# Altium PCB XTIDA-010086.PcbDoc (part 7 of 17) (continued)
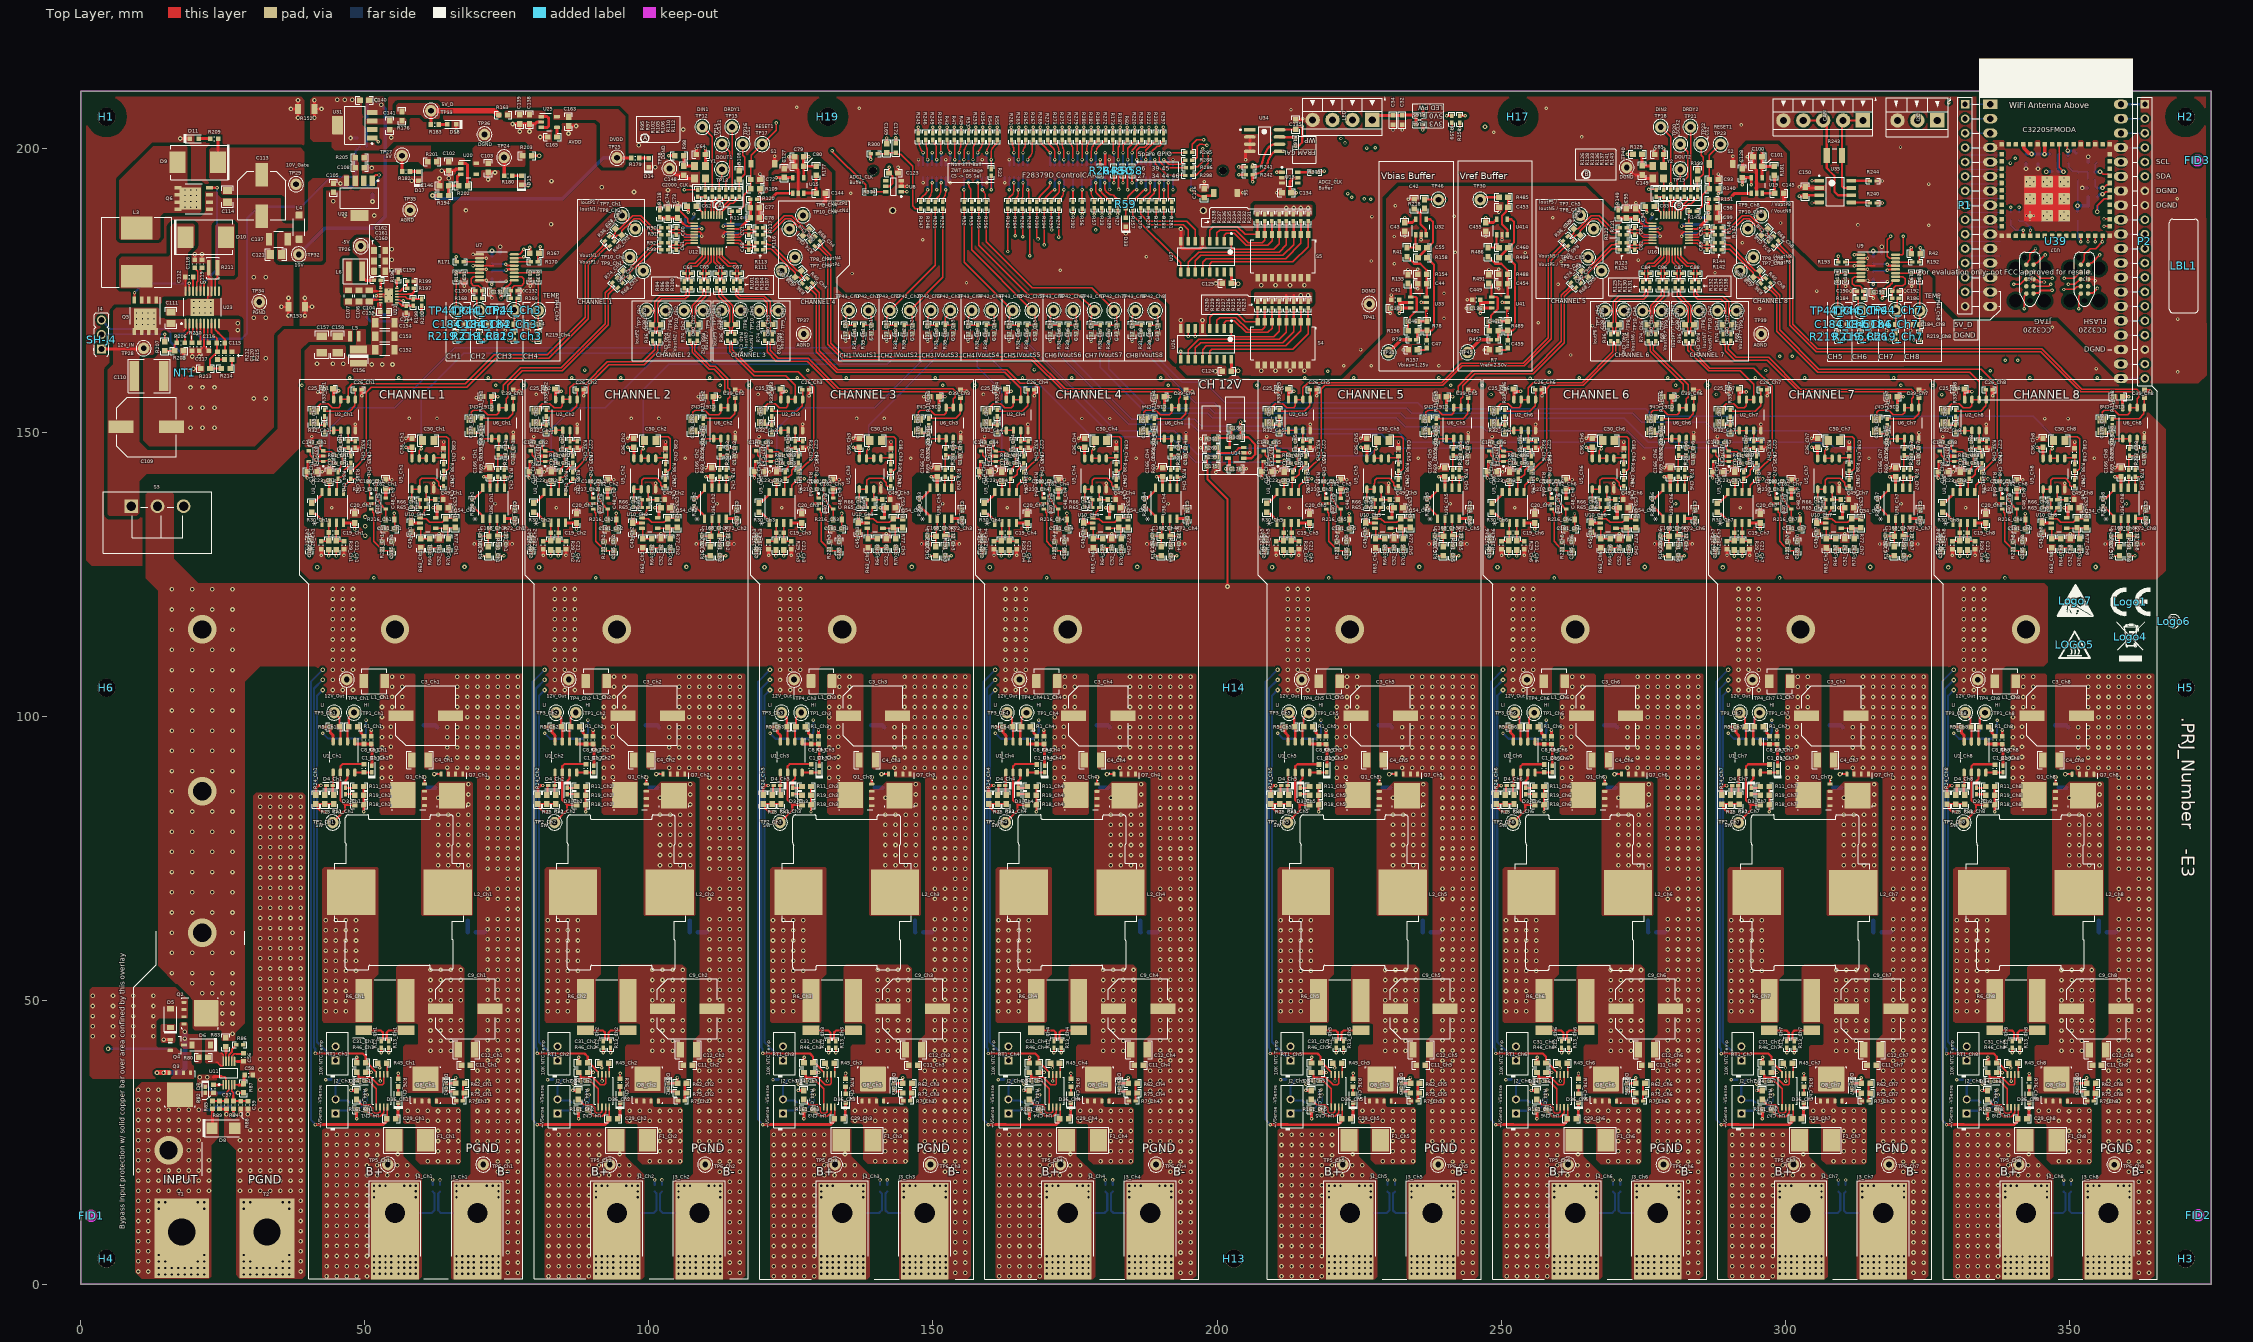
[diagram p0: Top Layer view]
## Nets (pads, with @x,y where several pads share a name; then routed paths per layer and width w, separated by ;. In a path a pad name is that pad's centre, name@x,y a point inside that pad or via, vN(x,y) a via of type N, cw(c..) or ccw(c..) an arc to the next point about the centre after c; other vN are vias at no path point) (continued)
  Top Layer w0.254: U21.10@52.804,173.79 52.219,173.79 v2(51.994,174.015) 52.269,174.29 U21.9@52.804,174.29 53.954,174.29 U21.13@54.204,174.04 ; U12.28@108.002,185.241 108.916,185.241 109.023,185.135 109.027,185.135 109.242,184.919 109.242,184.496 v2(109.284,184.496) v2@109.386,184.496 ; v2@112.972,184.496 v2(113.073,184.496) 113.115,184.496 113.115,184.919 113.33,185.135 113.335,185.135 113.441,185.241 114.356,185.241 U12.13@114.379,185.264 ; v2(134.645,166.001) C17_Ch1.2@134.645,167.211 ; C37_Ch1.1@139.174,167.411 139.2,167.385 v2(139.2,166.326) ; v2(141.847,166.001) C17_Ch2.2@141.847,167.211 ; C37_Ch2.1@146.376,167.411 146.402,167.385 v2(146.402,166.326) ; v2(149.049,166.001) C17_Ch3.2@149.049,167.211 ; C37_Ch3.1@153.577,167.411 153.603,167.385 v2(153.603,166.326) ; v2(156.25,166.001) C17_Ch4.2@156.25,167.211 ; C37_Ch4.1@160.779,167.411 160.805,167.385 v2(160.805,166.326) ; v2(163.452,166.001) C17_Ch5.2@163.452,167.211 ; C37_Ch5.1@167.981,167.411 168.007,167.385 v2(168.007,166.326) ; v2(170.654,166.001) C17_Ch6.2@170.654,167.211 ; C37_Ch6.1@175.182,167.411 175.209,167.385 v2(175.209,166.326) ; v2(177.856,166.001) C17_Ch7.2@177.856,167.211 ; C37_Ch7.1@182.384,167.411 182.41,167.385 v2(182.41,166.326) ; v2(185.057,166.001) C17_Ch8.2@185.057,167.211 ; C37_Ch8.1@189.586,167.411 189.612,167.385 v2(189.612,166.326) ; U16.28@276.678,185.256 276.701,185.233 277.615,185.233 277.722,185.127 277.726,185.127 277.941,184.911 277.941,184.488 v2(277.983,184.488) v2@278.085,184.488 ; v2@281.671,184.488 v2(281.772,184.488) 281.814,184.488 281.814,184.911 282.03,185.127 282.034,185.127 282.141,185.233 283.055,185.233 U16.13@283.078,185.256
  Top Layer w0.305: NT1.1@18.313,160.698 18.313,161.348 ; C117.2@20.841,164.291 21.671,165.121 21.699,165.121 ; U23.6@21.699,169.1 21.699,165.121 ; C116.2@22.53,164.291 21.699,165.121
  Top Layer w0.381: v1(57.252,169.494) C164.2@57.252,171.028 ; U7.8@70.188,176.712 70.192,176.708 70.194,176.709 v2(71.345,176.709) ; U7.5@70.188,178.662 v2(71.341,178.663) ; U9.8@313.354,176.682 313.358,176.678 313.359,176.679 v2(314.511,176.679) ; U9.5@313.355,178.633 v2(314.507,178.633)
  Top Layer w0.508: v1(18.085,163.086) R208.1@18.085,164.28 ; R210.1@19.591,164.296 19.609,164.278 v1(19.609,163.289) ; v1(19.837,161.155) 21.095,161.155 R213.1@21.12,161.181 R213.1@21.138,161.199 ; v1(20.841,163.302) C117.2@20.841,164.291 ; v1(39.443,170.505) R153.1@39.443,172.052 ; v1(39.443,173.599) R153.1@39.443,172.052 ; v1(40.691,172.052) R153.1@39.443,172.052 ; v1(58.272,194.248) D17.1@59.438,194.248 ; C146.2@63.142,193.356 v1(63.142,194.622) ; v1(63.515,195.996) C102.2@64.781,195.996 ; v1(64.781,194.67) C102.2@64.781,195.996 ; U20.2@66.86,196.338 66.068,196.338 65.725,195.996 C102.2@64.781,195.996 ; v1(71.69,194.448) C103.2@71.69,195.691 v1(72.903,195.691) ; D15.1@77.582,193.496 v1(78.748,193.496) ; C62.1@106.709,189.713 106.947,189.474 v2(106.947,188.713) ; C77.2@119.446,189.51 C78.2@119.446,187.757 120.095,187.757 120.105,187.748 v2(120.536,187.748) ; C127.1@123.79,196.399 v2(123.79,197.643) ; v2(124.621,198.462) C79.2@125.637,198.462 C80.2@125.637,196.786 126.283,196.14 126.283,192.033 U15.2@126.297,192.033 ; C169.2@141.866,200.747 v2(141.866,201.763) ; C173.1@143.466,200.797 v2(143.466,201.813) ; v2(230.519,170.921) C30.1@230.519,171.795 ; C41.1@230.685,173.247 v2(230.685,174.121) ; v2(232.77,164.455) R157.1@233.644,164.455 ; v2(233.072,184.421) C43.1@233.072,185.295 ; R155.1@233.611,177.741 v2(233.611,178.615) ; v2(233.644,190.992) 234.649,190.992 C42.2@234.694,190.947 ; v2(235.327,175.236) C44.2@235.327,176.11 ; R154.1@235.327,177.763 v2(235.327,178.637) ; v2(235.917,183.846) U32.2@235.917,184.72 ; v2(235.951,172.811) U33.2@236.825,172.811 ; v2(243.899,171.795) C136.1@244.772,171.795 ; v2(244.075,173.294) C449.1@244.949,173.294 ; v2(247.023,164.455) R7.1@247.897,164.455 ; v2(247.325,184.421) C455.1@247.325,185.295 ; R491.1@247.864,177.741 v2(247.864,178.615) ; v2(249.58,175.236) C454.2@249.58,176.11 ; R488.1@249.58,177.763 v2(249.58,178.637) ; v2(249.624,188.727) C453.2@249.624,189.601 ; v2(250.17,183.846) U414.2@250.17,184.72 ; v2(250.204,172.811) U41.2@251.078,172.811 ; C83.1@275.408,189.705 275.647,189.466 v2(275.647,188.705) ; C98.2@288.146,189.502 C99.2@288.146,187.749 288.794,187.749 288.804,187.74 v2(289.236,187.74) ; C128.1@292.488,196.392 v2(292.488,197.635) ; v2(293.32,198.455) C100.2@294.336,198.455 ; v2(294.336,199.471) C100.2@294.336,198.455 ; U19.2@294.996,192.025 294.982,192.025 294.982,196.133 C101.2@294.346,196.768 294.336,196.779 C100.2@294.336,198.455
  Top Layer w0.541: C183_Ch1.1@40.254,130.912 v2(40.254,131.979) ; C147_Ch1.2@40.654,148.147 v2(40.654,149.213) ; C14_Ch1.2@41.445,142.987 v2(42.511,142.987) ; v2(41.602,145.753) U37_Ch1.2@42.669,145.753 ; v2(41.681,157.042) 42.249,157.042 C25_Ch1.2@42.796,157.589 ; v2(42.332,128.319) C22_Ch1.2@42.332,129.385 ; C23_Ch1.2@43.724,142.987 v2(43.724,144.054) ; v2(46.32,128.319) C21_Ch1.1@46.32,129.385 ; C20_Ch1.2@48.189,135.596 v2(48.189,136.663) ; U2_Ch1.4@48.308,150.285 v2(48.308,151.351) ; C27_Ch1.2@48.335,147.228 v2(49.402,147.228) ; v2(49.443,156.378) C26_Ch1.2@49.443,157.445 ; v2(50.058,137.414) U40_Ch1.2@51.125,137.414 ; v2(52.55,132.944) C181_Ch1.1@53.617,132.944 ; R221_Ch1.1@53.035,130.635 v2(53.035,131.701) ; C182_Ch1.2@53.667,141.643 v2(54.734,141.643) ; C185_Ch1.1@54.733,130.696 v2(54.733,131.763) ; v2(57.226,148.913) C36_Ch1.2@58.293,148.913 ; v2(58.115,131.324) C45_Ch1.2@58.115,132.391 ; v2(59.817,128.542) R63_Ch1.2@59.817,129.609 ; U5_Ch1.4@62.103,139.927 v2(62.103,140.994) ; v2(63.056,132.085) 63.056,131.221 C52_Ch1.2@63.068,131.209 ; C49_Ch1.1@63.756,138.118 v2(63.756,139.185) ; C38_Ch1.1@63.857,147.184 v2(63.857,148.251) ; C53_Ch1.2@64.656,136.683 v2(65.722,136.683) ; v2(67.485,175.695) C51.2@67.485,176.762 ; v2(67.688,167.896) C184_Ch1.2@67.688,168.963 ; v2(68.371,174.847) C130.2@69.438,174.847 ; v2(69.244,130.307) C171_Ch1.2@70.311,130.307 ; v2(69.598,156.067) 70.531,156.067 C167_Ch1.2@70.713,156.249 ; v2(70.948,143.746) C166_Ch1.2@72.015,143.746 ; v2(71.788,167.896) C184_Ch2.2@71.788,168.963 ; v2(72.362,173.602) C131.2@72.362,174.669 ; v2(74.688,167.896) C184_Ch3.2@74.688,168.963 ; C172_Ch1.2@74.844,130.307 v2(75.911,130.307) ; v2(76.073,144.69) C170_Ch1.1@76.073,145.756 ; U6_Ch1.4@76.124,148.862 v2(76.124,149.929) ; C39_Ch1.1@76.124,157.418 76.253,157.288 77.059,157.288 77.172,157.175 v2(77.191,157.175) ; C174_Ch1.2@76.378,136.36 v2(76.378,137.427) ; C132.2@76.888,174.847 v2(77.955,174.847) ; v2(78.915,167.896) C184_Ch4.2@78.915,168.963 ; v2(79.118,175.695) C133.2@79.118,176.762 ; C183_Ch2.1@79.319,130.91 v2(79.319,131.977) ; C147_Ch2.2@79.719,148.145 v2(79.719,149.211) ; C14_Ch2.2@80.51,142.985 v2(81.577,142.985) ; v2(80.667,145.751) U37_Ch2.2@81.734,145.751 ; v2(81.397,128.317) C22_Ch2.2@81.397,129.383 ; v2(81.737,156.616) 81.737,157.346 81.679,157.404 C25_Ch2.2@81.861,157.587 ; C23_Ch2.2@82.789,142.985 v2(82.789,144.052) ; v2(85.385,128.317) C21_Ch2.1@85.385,129.383 ; C20_Ch2.2@87.254,135.594 v2(87.254,136.661) ; U2_Ch2.4@87.374,150.283 v2(87.374,151.349) ; C27_Ch2.2@87.4,147.226 v2(88.467,147.226) ; v2(88.508,156.376) C26_Ch2.2@88.508,157.443 ; v2(89.124,137.412) U40_Ch2.2@90.19,137.412 ; v2(91.615,132.942) C181_Ch2.1@92.682,132.942 ; R221_Ch2.1@92.1,130.633 v2(92.1,131.699) ; C182_Ch2.2@92.732,141.641 v2(93.799,141.641) ; C185_Ch2.1@93.798,130.694 v2(93.798,131.761) ; v2(96.291,148.911) C36_Ch2.2@97.358,148.911 ; v2(97.18,131.322) C45_Ch2.2@97.18,132.389 ; v2(98.882,128.54) R63_Ch2.2@98.882,129.607 ; U5_Ch2.4@101.168,139.925 v2(101.168,140.992) ; v2(102.122,132.083) 102.122,131.219 C52_Ch2.2@102.133,131.207 ; C49_Ch2.1@102.821,138.116 v2(102.821,139.183) ; C38_Ch2.1@102.922,147.182 v2(102.922,148.249) ; C53_Ch2.2@103.721,136.681 v2(104.788,136.681) ; v2(108.31,130.305) C171_Ch2.2@109.376,130.305 ; v2(108.712,156.247) C167_Ch2.2@109.778,156.247 ; v2(110.013,143.744) C166_Ch2.2@111.08,143.744 ; C172_Ch2.2@113.91,130.305 v2(114.976,130.305) ; v2(115.138,144.688) C170_Ch2.1@115.138,145.754 ; U6_Ch2.4@115.189,148.86 v2(115.189,149.927) ; C39_Ch2.1@115.189,157.416 115.319,157.287 116.124,157.287 116.237,157.173 v2(116.256,157.173) ; C174_Ch2.2@115.443,136.358 v2(115.443,137.425) ; C183_Ch3.1@118.994,130.908 v2(118.994,131.975) ; C147_Ch3.2@119.394,148.143 v2(119.394,149.209) ; C14_Ch3.2@120.185,142.983 v2(121.251,142.983) ; v2(120.342,145.749) U37_Ch3.2@121.409,145.749 ; v2(121.072,128.315) C22_Ch3.2@121.072,129.381 ; v2(121.397,156.616) 121.397,157.359 121.353,157.402 C25_Ch3.2@121.536,157.585 ; C23_Ch3.2@122.464,142.983 v2(122.464,144.05) ; v2(125.06,128.315) C21_Ch3.1@125.06,129.381 ; C20_Ch3.2@126.929,135.592 v2(126.929,136.659) ; U2_Ch3.4@127.048,150.281 v2(127.048,151.347) ; C27_Ch3.2@127.075,147.224 v2(128.142,147.224) ; v2(128.183,156.374) C26_Ch3.2@128.183,157.441 ; v2(128.798,137.41) U40_Ch3.2@129.865,137.41 ; v2(131.29,132.94) C181_Ch3.1@132.357,132.94 ; R221_Ch3.1@131.775,130.631 v2(131.775,131.697) ; C182_Ch3.2@132.407,141.639 v2(133.474,141.639) ; C185_Ch3.1@133.473,130.692 v2(133.473,131.759) ; v2(135.966,148.909) C36_Ch3.2@137.033,148.909 ; v2(136.855,131.32) C45_Ch3.2@136.855,132.387 ; v2(138.557,128.538) R63_Ch3.2@138.557,129.605 ; U5_Ch3.4@140.843,139.923 v2(140.843,140.99) ; v2(141.796,132.081) 141.796,131.217 C52_Ch3.2@141.808,131.205 ; C49_Ch3.1@142.496,138.114 v2(142.496,139.181) ; C38_Ch3.1@142.597,147.18 v2(142.597,148.247) ; C53_Ch3.2@143.396,136.679 v2(144.462,136.679) ; v2(147.984,130.303) C171_Ch3.2@149.051,130.303 ; v2(148.387,156.245) C167_Ch3.2@149.453,156.245 ; v2(149.688,143.742) C166_Ch3.2@150.755,143.742 ; C172_Ch3.2@153.584,130.303 v2(154.651,130.303) ; v2(154.813,144.686) C170_Ch3.1@154.813,145.752 ; U6_Ch3.4@154.864,148.858 v2(154.864,149.925) ; C39_Ch3.1@154.864,157.414 154.993,157.285 155.799,157.285 155.912,157.171 v2(155.931,157.171) ; C174_Ch3.2@155.118,136.356 v2(155.118,137.423) ; C183_Ch4.1@158.676,130.899 v2(158.676,131.966) ; C147_Ch4.2@159.068,148.141 v2(159.068,149.207) ; C14_Ch4.2@159.86,142.981 v2(160.926,142.981) ; v2(160.017,145.747) U37_Ch4.2@161.084,145.747 ; v2(160.747,128.313) C22_Ch4.2@160.747,129.379 ; v2(161.072,156.718) 161.072,157.357 161.028,157.4 C25_Ch4.2@161.211,157.583 ; C23_Ch4.2@162.138,142.981 v2(162.138,144.048) ; v2(164.734,128.313) C21_Ch4.1@164.734,129.379 ; C20_Ch4.2@166.603,135.59 v2(166.603,136.657) ; U2_Ch4.4@166.723,150.279 v2(166.723,151.345) ; C27_Ch4.2@166.75,147.222 v2(167.817,147.222) ; v2(167.858,156.372) C26_Ch4.2@167.858,157.439 ; v2(168.473,137.408) U40_Ch4.2@169.54,137.408 ; v2(170.965,132.938) C181_Ch4.1@172.032,132.938 ; R221_Ch4.1@171.45,130.629 v2(171.45,131.695) ; C182_Ch4.2@172.082,141.637 v2(173.148,141.637) ; C185_Ch4.1@173.148,130.69 v2(173.148,131.757) ; v2(175.641,148.907) C36_Ch4.2@176.708,148.907 ; v2(176.53,131.318) C45_Ch4.2@176.53,132.385 ; v2(178.232,128.536) R63_Ch4.2@178.232,129.603 ; U5_Ch4.4@180.518,139.921 v2(180.518,140.988) ; v2(181.471,132.079) 181.471,131.215 C52_Ch4.2@181.483,131.203 ; C49_Ch4.1@182.17,138.112 v2(182.17,139.179) ; C38_Ch4.1@182.272,147.178 v2(182.272,148.245) ; C53_Ch4.2@183.07,136.677 v2(184.137,136.677) ; v2(187.659,130.301) C171_Ch4.2@188.726,130.301 ; v2(189.128,155.177) C167_Ch4.2@189.128,156.243 ; v2(189.363,143.74) C166_Ch4.2@190.43,143.74 ; C172_Ch4.2@193.259,130.301 v2(194.326,130.301) ; v2(194.488,144.621) C170_Ch4.1@194.488,145.75 ; U6_Ch4.4@194.539,148.856 v2(194.539,149.923) ; C39_Ch4.1@194.539,157.412 194.668,157.283 195.473,157.283 195.587,157.169 v2(195.605,157.169) ; C174_Ch4.2@194.793,136.354 v2(194.793,137.421) ; v2(197.15,147.221) R260.2@198.217,147.221 ; v2(197.15,148.822) R301.1@198.217,148.822 ; v2(199.817,142.929) C175.2@199.817,143.996 ; C176.2@204.084,143.538 v2(205.151,143.538) ; U14.2@204.685,146.332 v2(205.752,146.332) ; C183_Ch5.1@208.344,130.904 v2(208.344,131.971) ; C147_Ch5.2@208.743,148.139 v2(208.743,149.205) ; C14_Ch5.2@209.534,142.979 v2(210.601,142.979) ; v2(209.692,145.789) 209.71,145.789 209.751,145.749 210.754,145.749 U37_Ch5.2@210.759,145.745 ; v2(210.421,128.311) C22_Ch5.2@210.421,129.377 ; v2(210.746,156.591) 210.746,157.355 210.703,157.398 C25_Ch5.2@210.885,157.581 ; C23_Ch5.2@211.813,142.979 v2(211.813,144.046) ; v2(214.409,128.311) C21_Ch5.1@214.409,129.377 ; C20_Ch5.2@216.278,135.588 v2(216.278,136.655) ; U2_Ch5.4@216.398,150.277 v2(216.398,151.343) ; C27_Ch5.2@216.425,147.22 v2(217.491,147.22) ; v2(217.533,156.37) C26_Ch5.2@217.533,157.437 ; v2(218.148,137.406) U40_Ch5.2@219.215,137.406 ; v2(220.64,132.936) C181_Ch5.1@221.706,132.936 ; R221_Ch5.1@221.125,130.627 v2(221.125,131.694) ; C182_Ch5.2@221.756,141.635 v2(222.823,141.635) ; C185_Ch5.1@222.822,130.688 v2(222.822,131.755) ; v2(225.316,148.905) C36_Ch5.2@226.383,148.905 ; v2(226.205,131.316) C45_Ch5.2@226.205,132.383 ; v2(227.907,128.534) R63_Ch5.2@227.907,129.601 ; U5_Ch5.4@230.193,139.919 v2(230.193,140.986) ; v2(231.146,132.077) 231.146,131.213 C52_Ch5.2@231.158,131.201 ; C49_Ch5.1@231.845,138.11 v2(231.845,139.177) ; C38_Ch5.1@231.947,147.176 v2(231.947,148.243) ; C53_Ch5.2@232.745,136.675 v2(233.812,136.675) ; v2(237.334,130.299) C171_Ch5.2@238.401,130.299 ; v2(238.803,155.175) C167_Ch5.2@238.803,156.241 ; v2(239.038,143.738) C166_Ch5.2@240.104,143.738 ; C172_Ch5.2@242.934,130.299 v2(244.001,130.299) ; v2(244.163,144.682) C170_Ch5.1@244.163,145.748 ; U6_Ch5.4@244.213,148.854 v2(244.213,149.921) ; C39_Ch5.1@244.213,157.41 244.343,157.281 245.148,157.281 245.262,157.167 v2(245.28,157.167) ; C174_Ch5.2@244.467,136.352 v2(244.467,137.419) ; C183_Ch6.1@248.019,130.902 v2(248.019,131.969) ; C147_Ch6.2@248.418,148.137 v2(248.418,149.203) ; C14_Ch6.2@249.209,142.977 v2(250.276,142.977) ; v2(249.367,145.743) U37_Ch6.2@250.433,145.743 ; v2(250.096,128.309) C22_Ch6.2@250.096,129.375 ; v2(250.421,156.667) 250.421,157.353 250.378,157.396 C25_Ch6.2@250.56,157.579 ; C23_Ch6.2@251.488,142.977 v2(251.488,144.044) ; v2(254.084,128.309) C21_Ch6.1@254.084,129.375 ; C20_Ch6.2@255.953,135.586 v2(255.953,136.653) ; U2_Ch6.4@256.073,150.275 v2(256.073,151.341) ; C27_Ch6.2@256.099,147.218 v2(257.166,147.218) ; v2(257.207,156.368) C26_Ch6.2@257.207,157.435 ; v2(257.823,137.404) U40_Ch6.2@258.89,137.404 ; v2(260.314,132.934) C181_Ch6.1@261.381,132.934 ; R221_Ch6.1@260.8,130.625 v2(260.8,131.692) ; C182_Ch6.2@261.431,141.633 v2(262.498,141.633) ; C185_Ch6.1@262.497,130.686 v2(262.497,131.753) ; v2(264.991,148.903) C36_Ch6.2@266.057,148.903 ; v2(265.88,131.314) C45_Ch6.2@265.88,132.381 ; v2(267.581,128.532) R63_Ch6.2@267.581,129.599 ; U5_Ch6.4@269.867,139.917 v2(269.867,140.984) ; v2(270.821,132.075) 270.821,131.211 C52_Ch6.2@270.833,131.199 ; C49_Ch6.1@271.52,138.108 v2(271.52,139.175) ; C38_Ch6.1@271.622,147.174 v2(271.622,148.241) ; C53_Ch6.2@272.42,136.673 v2(273.487,136.673) ; v2(277.009,130.297) C171_Ch6.2@278.075,130.297 ; v2(278.478,155.173) C167_Ch6.2@278.478,156.239 ; v2(278.712,143.736) C166_Ch6.2@279.779,143.736 ; C172_Ch6.2@282.609,130.297 v2(283.675,130.297) ; v2(283.837,144.68) C170_Ch6.1@283.837,145.746 ; U6_Ch6.4@283.888,148.852 v2(283.888,149.919) ; C39_Ch6.1@283.888,157.408 284.018,157.279 284.823,157.279 284.936,157.165 v2(284.955,157.165) ; C174_Ch6.2@284.142,136.35 v2(284.142,137.417) ; C183_Ch7.1@287.693,130.9 v2(287.693,131.967) ; C147_Ch7.2@288.093,148.135 v2(288.093,149.201) ; C14_Ch7.2@288.884,142.975 v2(289.951,142.975) ; v2(289.041,145.741) U37_Ch7.2@290.108,145.741 ; v2(289.771,128.307) C22_Ch7.2@289.771,129.373 ; v2(290.119,156.566) 290.119,157.328 290.053,157.394 C25_Ch7.2@290.235,157.577 ; C23_Ch7.2@291.163,142.975 v2(291.163,144.042) ; v2(293.759,128.307) C21_Ch7.1@293.759,129.373 ; C20_Ch7.2@295.628,135.584 v2(295.628,136.651) ; U2_Ch7.4@295.748,150.273 v2(295.748,151.339) ; C27_Ch7.2@295.774,147.216 v2(296.841,147.216) ; v2(296.882,156.366) C26_Ch7.2@296.882,157.433 ; v2(297.498,137.402) U40_Ch7.2@298.564,137.402 ; v2(299.989,132.932) C181_Ch7.1@301.056,132.932 ; R221_Ch7.1@300.474,130.623 v2(300.474,131.69) ; C182_Ch7.2@301.106,141.631 v2(302.173,141.631) ; C185_Ch7.1@302.172,130.684 v2(302.172,131.751) ; v2(304.665,148.901) C36_Ch7.2@305.732,148.901 ; v2(305.554,131.312) C45_Ch7.2@305.554,132.379 ; v2(307.256,128.53) R63_Ch7.2@307.256,129.597 ; U5_Ch7.4@309.542,139.915 v2(309.542,140.982) ; v2(310.496,132.073) 310.496,131.209 C52_Ch7.2@310.507,131.197 ; v2(310.65,175.665) C187.2@310.65,176.732 ; v2(310.853,167.866) C184_Ch5.2@310.853,168.933 ; C49_Ch7.1@311.195,138.106 v2(311.195,139.173) ; C38_Ch7.1@311.296,147.172 v2(311.296,148.239) ; v2(311.536,174.817) C190.2@312.603,174.817 ; C53_Ch7.2@312.095,136.671 v2(313.162,136.671) ; v2(314.954,167.866) C184_Ch6.2@314.954,168.933 ; v2(315.527,173.572) C191.2@315.527,174.639 ; v2(316.684,130.295) C171_Ch7.2@317.75,130.295 ; v2(317.854,167.866) C184_Ch7.2@317.854,168.933 ; v2(318.152,155.171) C167_Ch7.2@318.152,156.237 ; v2(318.387,143.734) C166_Ch7.2@319.454,143.734 ; C192.2@320.054,174.817 v2(321.12,174.817) ; v2(322.081,167.866) C184_Ch8.2@322.081,168.933 ; C172_Ch7.2@322.284,130.295 v2(323.35,130.295) ; v2(322.284,175.665) C193.2@322.284,176.732 ; v2(323.512,144.678) C170_Ch7.1@323.512,145.744 ; U6_Ch7.4@323.563,148.85 v2(323.563,149.917) ; C39_Ch7.1@323.563,157.406 323.693,157.277 324.498,157.277 324.611,157.163 v2(324.63,157.163) ; C174_Ch7.2@323.817,136.348 v2(323.817,137.415) ; C183_Ch8.1@327.368,130.898 v2(327.368,131.965) ; C147_Ch8.2@327.768,148.133 v2(327.768,149.199) ; C14_Ch8.2@328.559,142.973 v2(329.625,142.973) ; v2(328.716,145.739) U37_Ch8.2@329.783,145.739 ; v2(329.446,128.305) C22_Ch8.2@329.446,129.371 ; v2(329.771,156.616) 329.771,157.349 329.727,157.392 C25_Ch8.2@329.91,157.575 ; C23_Ch8.2@330.838,142.973 v2(330.838,144.04) ; v2(333.434,128.305) C21_Ch8.1@333.434,129.371 ; C20_Ch8.2@335.303,135.582 v2(335.303,136.649) ; U2_Ch8.4@335.422,150.271 v2(335.422,151.337) ; C27_Ch8.2@335.449,147.214 v2(336.516,147.214) ; v2(336.557,156.364) C26_Ch8.2@336.557,157.431 ; v2(337.172,137.4) U40_Ch8.2@338.239,137.4 ; v2(339.664,132.93) C181_Ch8.1@340.731,132.93 ; R221_Ch8.1@340.149,130.621 v2(340.149,131.688) ; C182_Ch8.2@340.781,141.629 v2(341.848,141.629) ; C185_Ch8.1@341.847,130.682 v2(341.847,131.749) ; v2(344.34,148.899) C36_Ch8.2@345.407,148.899 ; v2(345.229,131.31) C45_Ch8.2@345.229,132.377 ; v2(346.931,128.528) R63_Ch8.2@346.931,129.595 ; U5_Ch8.4@349.217,139.913 v2(349.217,140.98) ; v2(350.17,132.071) 350.17,131.207 C52_Ch8.2@350.182,131.195 ; C49_Ch8.1@350.87,138.104 v2(350.87,139.171) ; C38_Ch8.1@350.971,147.17 v2(350.971,148.237) ; C53_Ch8.2@351.77,136.669 v2(352.836,136.669) ; v2(356.358,130.293) C171_Ch8.2@357.425,130.293 ; v2(357.827,155.169) C167_Ch8.2@357.827,156.235 ; v2(358.062,143.732) C166_Ch8.2@359.129,143.732 ; C172_Ch8.2@361.958,130.293 v2(363.025,130.293) ; v2(363.187,144.676) C170_Ch8.1@363.187,145.742 ; U6_Ch8.4@363.238,148.848 v2(363.238,149.915) ; C39_Ch8.1@363.238,157.404 363.367,157.275 364.173,157.275 364.286,157.161 v2(364.305,157.161) ; C174_Ch8.2@363.492,136.346 v2(363.492,137.413)
  Top Layer w0.635: v2(130.505,190.051) 131.051,190.597 C144.2@131.051,192.049 ; v2(299.201,190.046) 299.747,190.592 C145.2@299.747,192.045
  Signal Layer 1 w0.508: v2(124.621,198.462) 124.649,198.462 125.88,197.231 134.036,197.231 138.567,201.763 v2(141.866,201.763) 141.893,201.763 141.925,201.794 143.447,201.794 v2(143.466,201.813)
  Bottom Layer w0.381: J4.3@3.632,169.723 5.232,168.123 15.215,168.123 15.773,167.564 15.773,165.837 18.085,163.525 v1(18.085,163.086)
  Bottom Layer w0.508: v2(51.994,174.015) 50.343,172.364 50.343,170.155 51.003,169.494 v1(57.252,169.494) ; C69.2@106.404,184.468 107.975,184.468 C70.2@107.979,184.464 109.252,184.464 v2(109.284,184.496) ; v2(113.073,184.496) 113.541,184.964 C76.1@114.379,184.964 114.391,184.976 C75.1@115.954,184.976 ; C90.2@275.103,184.46 276.674,184.46 C91.2@276.678,184.456 277.951,184.456 v2(277.983,184.488) ; v2(281.772,184.488) 282.24,184.956 C97.1@283.078,184.956 283.09,184.968 C96.1@284.653,184.968
  Bottom Layer w0.541: C24_Ch1.2@43.718,142.987 43.721,142.99 43.721,144.051 v2(43.724,144.054) ; C18_Ch1.2@48.189,135.596 v2(48.189,136.663) ; v2(70.948,143.746) C177_Ch1.2@72.015,143.746 ; C122.2@73.799,176.511 73.844,176.555 73.888,176.511 v2(74.854,176.511) ; C179_Ch1.2@76.378,136.36 v2(76.378,137.427) ; C24_Ch2.2@82.783,142.985 82.786,142.988 82.786,144.049 v2(82.789,144.052) ; C18_Ch2.2@87.254,135.594 v2(87.254,136.661) ; v2@110.019,143.744 C177_Ch2.2@111.08,143.744 ; C179_Ch2.2@115.443,136.358 v2(115.443,137.425) ; C18_Ch3.2@126.929,135.592 v2(126.929,136.659) ; v2@149.693,143.742 C177_Ch3.2@150.755,143.742 ; C179_Ch3.2@155.118,136.356 v2(155.118,137.423) ; C18_Ch4.2@166.603,135.59 v2(166.603,136.657) ; v2@189.368,143.74 C177_Ch4.2@190.43,143.74 ; C179_Ch4.2@194.793,136.354 v2(194.793,137.421) ; C18_Ch5.2@216.278,135.588 v2(216.278,136.655) ; v2@239.043,143.738 C177_Ch5.2@240.104,143.738 ; C179_Ch5.2@244.467,136.352 v2(244.467,137.419) ; C18_Ch6.2@255.953,135.586 v2(255.953,136.653) ; v2@278.718,143.736 C177_Ch6.2@279.779,143.736 ; C179_Ch6.2@284.142,136.35 v2(284.142,137.417) ; C18_Ch7.2@295.628,135.584 v2(295.628,136.651) ; C188.2@316.964,176.48 317.009,176.525 317.054,176.48 v2(318.019,176.48) ; v2@318.393,143.734 C177_Ch7.2@319.454,143.734 ; C179_Ch7.2@323.817,136.348 v2(323.817,137.415) ; C18_Ch8.2@335.303,135.582 v2(335.303,136.649) ; v2@358.067,143.732 C177_Ch8.2@359.129,143.732 ; C179_Ch8.2@363.492,136.346 v2(363.492,137.413)
  Bottom Layer w0.635: v1(51.333,190.576) C142.2@51.333,191.826
  other v1: 51.206,161.9 53.038,161.9 54.869,161.9 41.565,162.016 44.371,162.001 46.203,162.001 54.737,178.509 54.737,180.34 54.737,182.171 46.457,188.112 51.638,188.112 44.45,190.627 51.232,196.494
  other v2: 44.145,136.683 212.737,136.694 252.412,136.692 292.087,136.69 331.762,136.688 83.713,136.7 123.388,136.698 163.062,136.696 241.076,137.404 320.425,137.4 72.986,137.412 112.051,137.41 151.726,137.408 191.401,137.406 67.333,145.377 106.398,145.375 146.073,145.373 185.748,145.371 235.423,145.369 275.097,145.367 314.772,145.365 354.447,145.363 96.873,152.39 101.757,152.39 136.547,152.388 141.432,152.388 176.222,152.386 181.106,152.386 345.691,152.378 349.806,152.378 57.807,152.392 62.692,152.392 80.144,156.618 119.21,156.616 158.884,156.614 354.786,161.182 227.171,161.671 239.059,161.671 262.292,163.561 328.258,166.823 306.57,167.414 347.02,168.457 266.08,168.751 256.558,169.215 239.954,170.002 295.529,171.691 239.954,174.396 305.55,174.817 260.038,176.042 287.66,178.029 231.238,179.628 260.556,179.995 274.173,180.27 254.285,181.595 241.962,181.62 292.498,183.323 231.189,184.421 268.417,184.426 299.201,186.796 259.105,187.739 241.722,188.009 231.412,189.856
  other v4: 54.204,173.04 53.704,174.04 54.704,174.04 54.204,175.04